# Altium PCB Length Bar Comparator.PcbDoc (part 1 of 6) (continued)
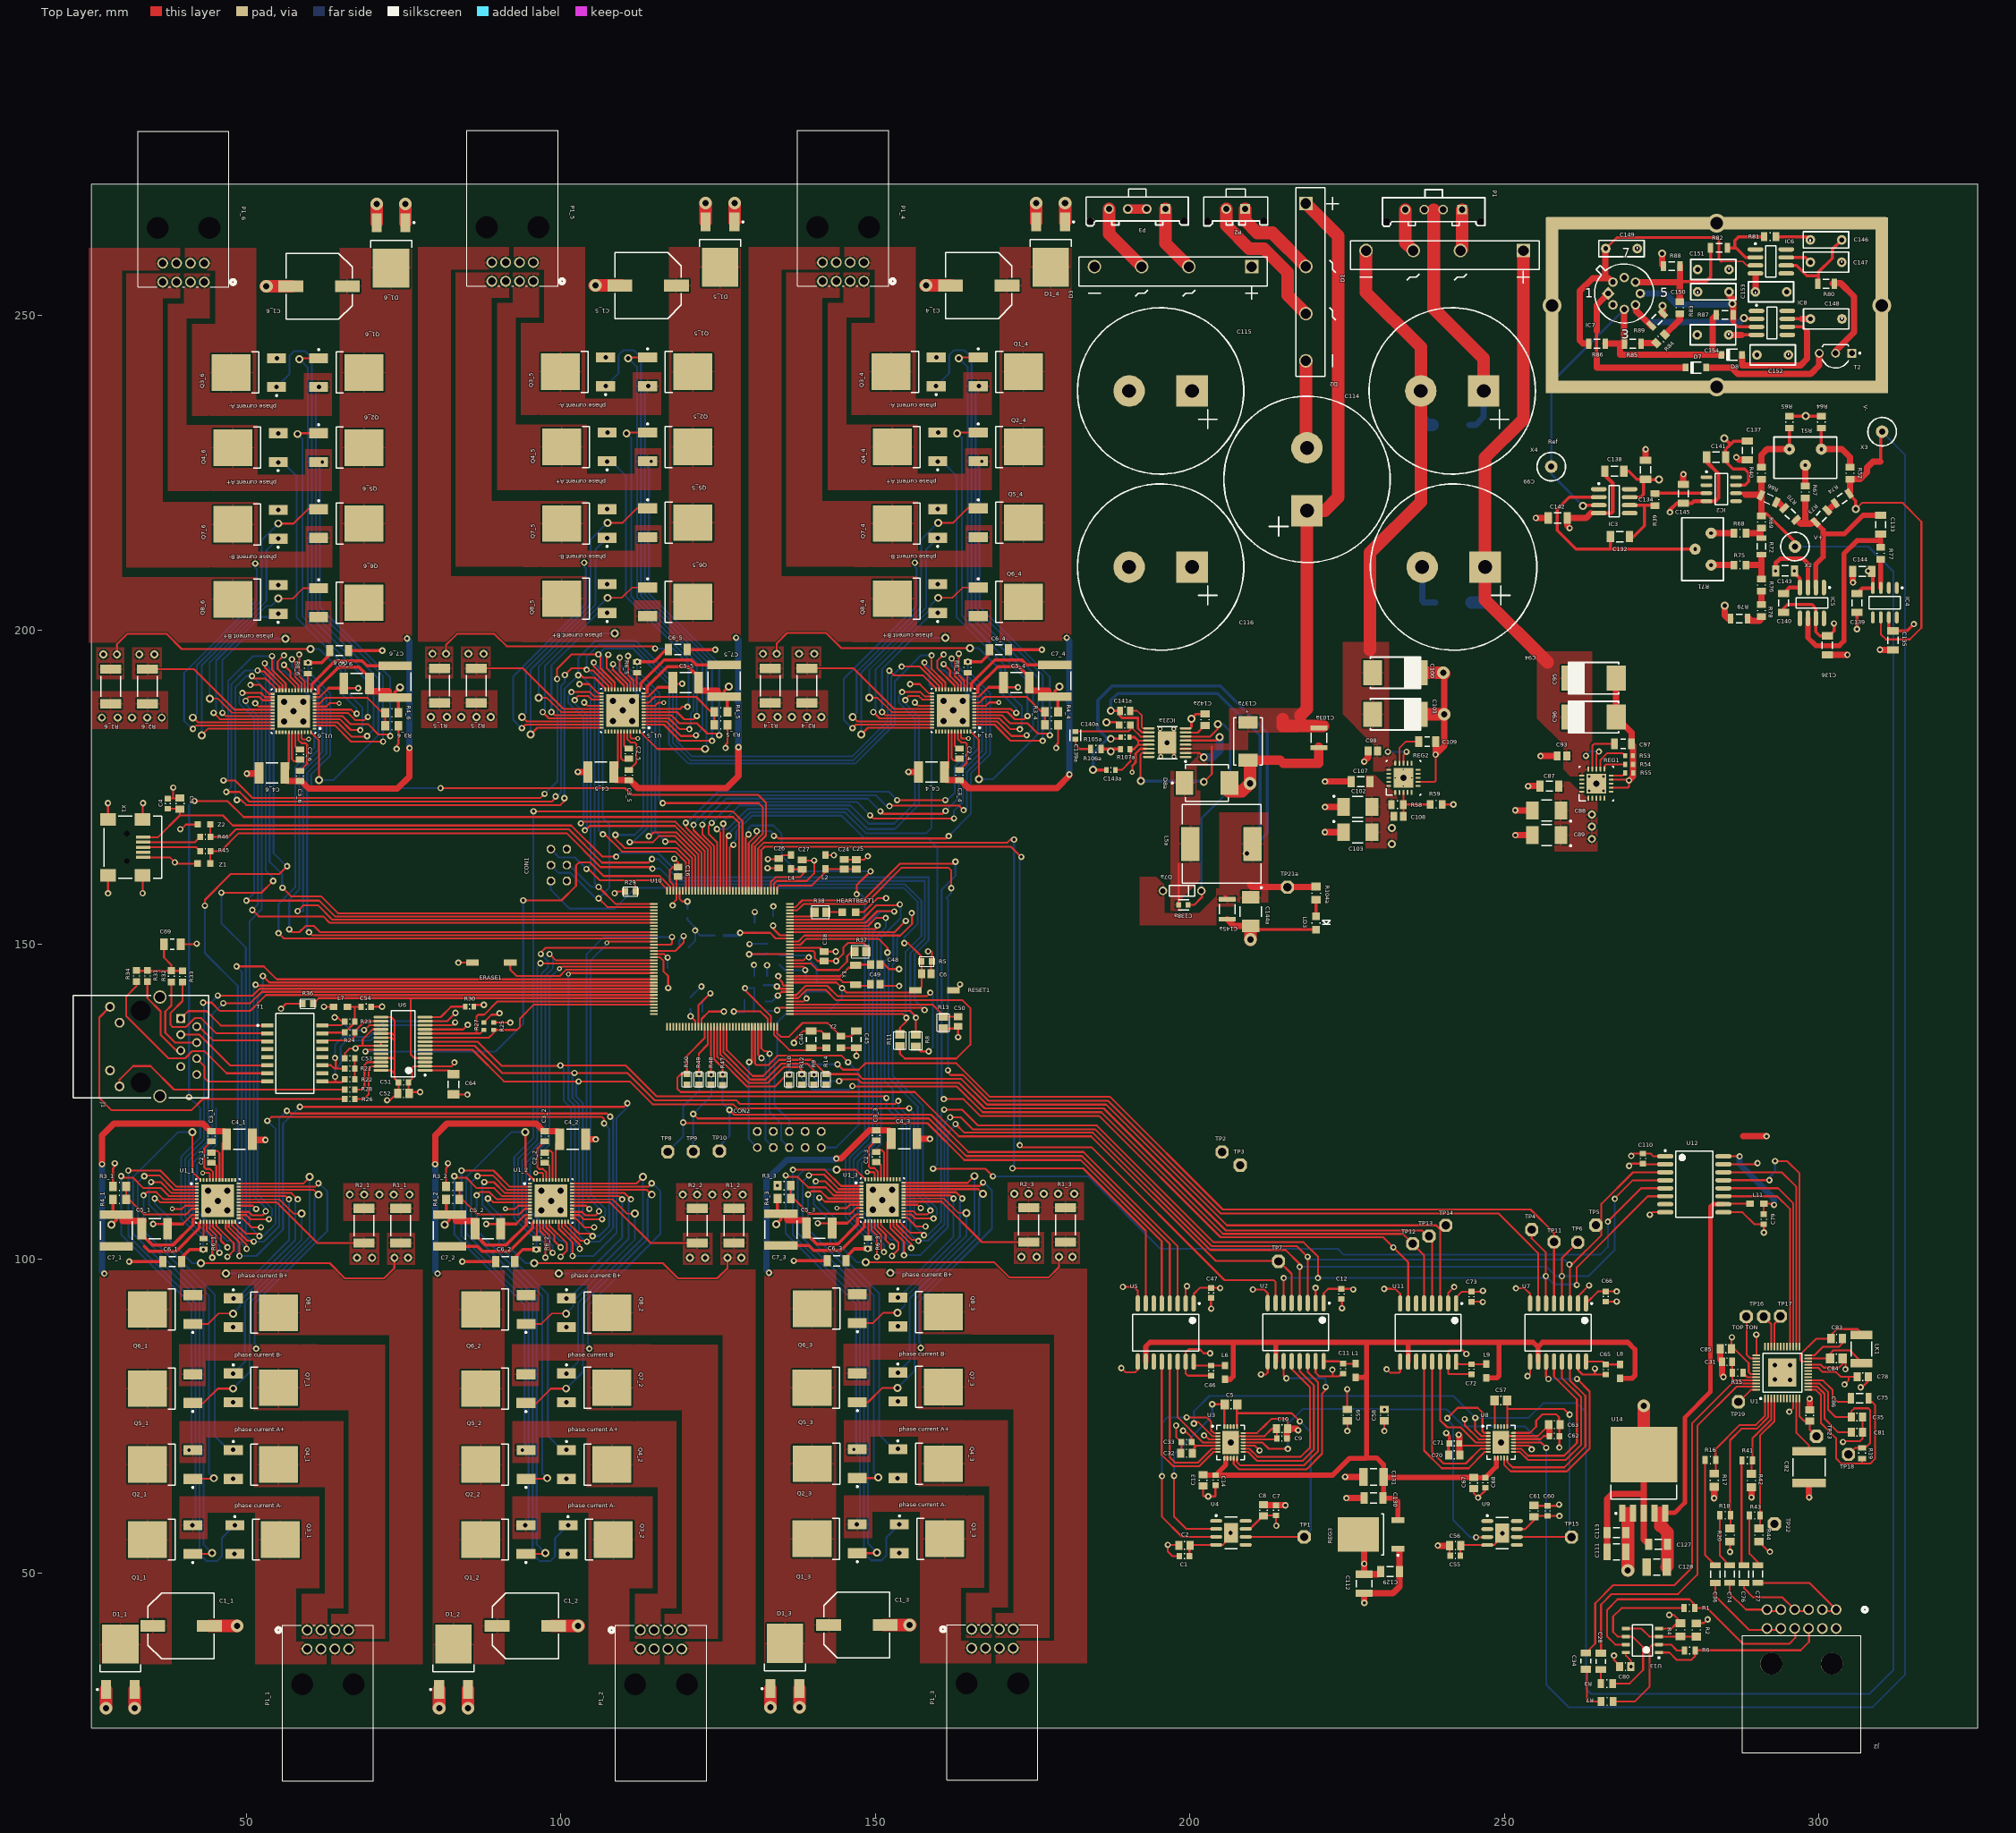
[diagram p0: Top Layer view]
## Components (designator, comment, footprint, x,y, rotation, side; value= is the part's Value field where it differs from the comment) (continued)
L11 "MH2029-300Y" 0805 290.093,108.763 r0 top
LD3 "SML-LXT0805GW-TR" LUMX-SML-LXT0805_V 220.04,153.416 r270 top
LK1 "Jumper 1812(4532)" RESC1812(4532)_M 306.718,85.662 r270 top value="0.00 Ohm"
P1 "Molex - Micro-Fit 3.0 Series connector,  3.00mm (0.118\") pitch header, 4 positions." 43650-0415 238.733,266.827 r0 top
P1_1 "Part Number: 1-1376350-9" conn8_1-1376350- 66.256,37.985 r180 top value=Value
P1_2 "Part Number: 1-1376350-9" conn8_1-1376350- 119.215,37.985 r180 top value=Value
P1_3 "Part Number: 1-1376350-9" conn8_1-1376350- 171.895,38.112 r180 top value=Value
P1_4 "Part Number: 1-1376350-9" conn8_1-1376350- 141.566,258.433 r0 top value=Value
P1_5 "Part Number: 1-1376350-9" conn8_1-1376350- 89.013,258.433 r0 top value=Value
P1_6 "Part Number: 1-1376350-9" conn8_1-1376350- 36.714,258.306 r0 top value=Value
P2 "Molex - Micro-Fit 3.0 Series connector,  3.00mm (0.118\") pitch header, 2 positions." 43650-0215 207.262,266.929 r0 top
P3 "Molex - Micro-Fit 3.0 Series connector,  3.00mm (0.118\") pitch header, 4 positions." 43650-0415 191.616,266.929 r0 top
Q1_1 "NTD4815NT4G" ONSC-DPAK-3-369AA-01_V 37.084,55.372 r180 top
Q1_2 "NTD4815NT4G" ONSC-DPAK-3-369AA-01_V 90.043,55.372 r180 top
Q1_3 "NTD4815NT4G" ONSC-DPAK-3-369AA-01_V 142.723,55.499 r180 top
Q1_4 "NTD4815NT4G" ONSC-DPAK-3-369AA-01_V 170.738,241.046 r0 top
Q1_5 "NTD4815NT4G" ONSC-DPAK-3-369AA-01_V 118.185,241.046 r0 top
Q1_6 "NTD4815NT4G" ONSC-DPAK-3-369AA-01_V 65.886,240.919 r0 top
Q2_1 "NTD4815NT4G" ONSC-DPAK-3-369AA-01_V 37.09,67.31 r180 top
Q2_2 "NTD4815NT4G" ONSC-DPAK-3-369AA-01_V 90.049,67.31 r180 top
Q2_3 "NTD4815NT4G" ONSC-DPAK-3-369AA-01_V 142.729,67.437 r180 top
Q2_4 "NTD4815NT4G" ONSC-DPAK-3-369AA-01_V 170.732,229.108 r0 top
Q2_5 "NTD4815NT4G" ONSC-DPAK-3-369AA-01_V 118.179,229.108 r0 top
Q2_6 "NTD4815NT4G" ONSC-DPAK-3-369AA-01_V 65.88,228.981 r0 top
Q3_1 "NTD4815NT4G" ONSC-DPAK-3-369AA-01_V 52.572,55.372 r0 top
Q3_2 "NTD4815NT4G" ONSC-DPAK-3-369AA-01_V 105.531,55.372 r0 top
Q3_3 "NTD4815NT4G" ONSC-DPAK-3-369AA-01_V 158.211,55.499 r0 top
Q3_4 "NTD4815NT4G" ONSC-DPAK-3-369AA-01_V 155.25,241.046 r180 top
Q3_5 "NTD4815NT4G" ONSC-DPAK-3-369AA-01_V 102.697,241.046 r180 top
Q3_6 "NTD4815NT4G" ONSC-DPAK-3-369AA-01_V 50.398,240.919 r180 top
Q4_1 "NTD4815NT4G" ONSC-DPAK-3-369AA-01_V 52.324,67.31 r0 top
Q4_2 "NTD4815NT4G" ONSC-DPAK-3-369AA-01_V 105.283,67.31 r0 top
Q4_3 "NTD4815NT4G" ONSC-DPAK-3-369AA-01_V 157.963,67.437 r0 top
Q4_4 "NTD4815NT4G" ONSC-DPAK-3-369AA-01_V 155.498,229.108 r180 top
Q4_5 "NTD4815NT4G" ONSC-DPAK-3-369AA-01_V 102.945,229.108 r180 top
Q4_6 "NTD4815NT4G" ONSC-DPAK-3-369AA-01_V 50.646,228.981 r180 top
Q5_1 "NTD4815NT4G" ONSC-DPAK-3-369AA-01_V 37.084,79.375 r180 top
Q5_2 "NTD4815NT4G" ONSC-DPAK-3-369AA-01_V 90.043,79.375 r180 top
Q5_3 "NTD4815NT4G" ONSC-DPAK-3-369AA-01_V 142.723,79.502 r180 top
Q5_4 "NTD4815NT4G" ONSC-DPAK-3-369AA-01_V 170.738,217.043 r0 top
Q5_5 "NTD4815NT4G" ONSC-DPAK-3-369AA-01_V 118.185,217.043 r0 top
Q5_6 "NTD4815NT4G" ONSC-DPAK-3-369AA-01_V 65.886,216.916 r0 top
Q6_1 "NTD4815NT4G" ONSC-DPAK-3-369AA-01_V 37.09,91.948 r180 top
Q6_2 "NTD4815NT4G" ONSC-DPAK-3-369AA-01_V 90.049,91.948 r180 top
Q6_3 "NTD4815NT4G" ONSC-DPAK-3-369AA-01_V 142.729,92.075 r180 top
Q6_4 "NTD4815NT4G" ONSC-DPAK-3-369AA-01_V 170.732,204.47 r0 top
Q6_5 "NTD4815NT4G" ONSC-DPAK-3-369AA-01_V 118.179,204.47 r0 top
Q6_6 "NTD4815NT4G" ONSC-DPAK-3-369AA-01_V 65.88,204.343 r0 top
Q7_1 "NTD4815NT4G" ONSC-DPAK-3-369AA-01_V 52.324,79.502 r0 top
Q7_2 "NTD4815NT4G" ONSC-DPAK-3-369AA-01_V 105.283,79.502 r0 top
Q7_3 "NTD4815NT4G" ONSC-DPAK-3-369AA-01_V 157.963,79.629 r0 top
Q7_4 "NTD4815NT4G" ONSC-DPAK-3-369AA-01_V 155.498,216.916 r180 top
Q7_5 "NTD4815NT4G" ONSC-DPAK-3-369AA-01_V 102.945,216.916 r180 top
Q7_6 "NTD4815NT4G" ONSC-DPAK-3-369AA-01_V 50.646,216.789 r180 top
Q8_1 "NTD4815NT4G" ONSC-DPAK-3-369AA-01_V 52.324,91.44 r0 top
Q8_2 "NTD4815NT4G" ONSC-DPAK-3-369AA-01_V 105.283,91.44 r0 top
Q8_3 "NTD4815NT4G" ONSC-DPAK-3-369AA-01_V 157.963,91.567 r0 top
Q8_4 "NTD4815NT4G" ONSC-DPAK-3-369AA-01_V 155.498,204.978 r180 top
Q8_5 "NTD4815NT4G" ONSC-DPAK-3-369AA-01_V 102.945,204.978 r180 top
Q8_6 "NTD4815NT4G" ONSC-DPAK-3-369AA-01_V 50.646,204.851 r180 top
R1 "510K 1% 0805(2012)" RESC0805(2012)_L 279.375,44.475 r180 top value="510000.00 Ohm"
R1_1 "WSL2512R0500FEA" RESC6432X89X76LL25T25 74.549,105.283 r270 top
R1_2 "WSL2512R0500FEA" RESC6432X89X76LL25T25 127.508,105.283 r270 top
R1_3 "WSL2512R0500FEA" RESC6432X89X76LL25T25 180.188,105.41 r270 top
R1_4 "WSL2512R0500FEA" RESC6432X89X76LL25T25 133.273,191.135 r90 top
R1_5 "WSL2512R0500FEA" RESC6432X89X76LL25T25 80.72,191.135 r90 top
R1_6 "WSL2512R0500FEA" RESC6432X89X76LL25T25 28.421,191.008 r90 top
R2 "10K 1% 0805(2012)" RESC0805(2012)_M 280.467,40.996 r90 top value="10000.00 Ohm"
R2_1 "WSL2512R0500FEA" RESC6432X89X76LL25T25 68.707,105.283 r270 top
R2_2 "WSL2512R0500FEA" RESC6432X89X76LL25T25 121.666,105.283 r270 top
R2_3 "WSL2512R0500FEA" RESC6432X89X76LL25T25 174.346,105.41 r270 top
R2_4 "WSL2512R0500FEA" RESC6432X89X76LL25T25 139.115,191.135 r90 top
R2_5 "WSL2512R0500FEA" RESC6432X89X76LL25T25 86.562,191.135 r90 top
R2_6 "WSL2512R0500FEA" RESC6432X89X76LL25T25 34.263,191.008 r90 top
R3 "31K6 1% 0805(2012)" RESC0805(2012)_N 266.243,32.487 r180 top value="31600.00 Ohm"
R3_1 "1K 1% 0805(2012)" RESC0805(2012)_M 29.845,111.506 r180 top value=1K0
R3_2 "1K 1% 0805(2012)" RESC0805(2012)_M 82.804,111.506 r180 top value=1K0
R3_3 "1K 1% 0805(2012)" RESC0805(2012)_M 135.484,111.633 r180 top value=1K0
R3_4 "1K 1% 0805(2012)" RESC0805(2012)_M 177.977,184.912 r0 top value=1K0
R3_5 "1K 1% 0805(2012)" RESC0805(2012)_M 125.424,184.912 r0 top value=1K0
R3_6 "1K 1% 0805(2012)" RESC0805(2012)_M 73.125,184.785 r0 top value=1K0
R4 "10K 1% 0805(2012)" RESC0805(2012)_M 277.952,41.021 r270 top value="10000.00 Ohm"
R4_1 "1K5 1% 0805(2012)" RESC0805(2012)_M 29.845,109.474 r0 top value=1K5
R4_2 "1K5 1% 0805(2012)" RESC0805(2012)_M 82.804,109.474 r0 top value=1K5
R4_3 "1K5 1% 0805(2012)" RESC0805(2012)_M 135.484,109.601 r0 top value=1K5
R4_4 "1K5 1% 0805(2012)" RESC0805(2012)_M 177.977,186.944 r180 top value=1K5
R4_5 "1K5 1% 0805(2012)" RESC0805(2012)_M 125.424,186.944 r180 top value=1K5
R4_6 "1K5 1% 0805(2012)" RESC0805(2012)_M 73.125,186.817 r180 top value=1K5
R5 "100k" R0603 158.14,147.295 r0 top
R6 "510K 1% 0805(2012)" RESC0805(2012)_L 279.425,37.744 r180 top value="510000.00 Ohm"
R6_1 "5K6 1% 0805(2012)" RESC0805(2012)_L 43.18,102.362 r90 top value=5k6
R6_2 "5K6 1% 0805(2012)" RESC0805(2012)_L 96.139,102.362 r90 top value=5k6
R6_3 "5K6 1% 0805(2012)" RESC0805(2012)_L 148.819,102.489 r90 top value=5k6
R6_4 "5K6 1% 0805(2012)" RESC0805(2012)_L 164.642,194.056 r270 top value=5k6
R6_5 "5K6 1% 0805(2012)" RESC0805(2012)_L 112.089,194.056 r270 top value=5k6
R6_6 "5K6 1% 0805(2012)" RESC0805(2012)_L 59.79,193.929 r270 top value=5k6
R7 "31K6 1% 0805(2012)" RESC0805(2012)_N 266.294,29.642 r180 top value="31600.00 Ohm"
R8 "39R 1%" R0805 156.413,134.696 r270 top
R9 "10k" R0603 140.208,128.524 r270 top
R10 "10k" R0603 136.271,128.499 r270 top
R11 "39R 1%" R0805 153.899,134.747 r270 top
R12 "10k" R0603 138.278,128.524 r270 top
R13 "6k8 1%" R0805 160.782,137.566 r90 top
R14 "10k" R0603 142.113,128.524 r270 top
R15 "5K6 1% 0805(2012)" RESC0805(2012)_L 287.045,81.89 r180 top value=5k6
R16 "43K2 1% 0805(2012)" RESC0805(2012)_L 282.715,68.009 r0 top value="43200.00 Ohm"
R17 "1K 1% 0805(2012)" RESC0805(2012)_M 283.325,64.809 r90 top value="1000.00 Ohm"
R18 "43K2 1% 0805(2012)" RESC0805(2012)_L 285.052,59.246 r0 top value="43200.00 Ohm"
R19 "110R 1% 0805(2012)" RESC0805(2012)_L 306.82,69.127 r90 top value="110.00 Ohm"
R20 "1K 1% 0805(2012)" RESC0805(2012)_M 285.84,56.097 r90 top value="1000.00 Ohm"
R21 "49R9 1% 0603(1608)" RESC0603(1608)_N 66.446,130.277 r180 top value="49.90 Ohm"
R22 "49R9 1% 0603(1608)" RESC0603(1608)_N 66.446,128.549 r180 top value="49.90 Ohm"
R23 "49R9 1% 0603(1608)" RESC0603(1608)_N 66.446,137.719 r180 top value="49.90 Ohm"
R24 "49R9 1% 0603(1608)" RESC0603(1608)_N 66.446,135.992 r0 top value="49.90 Ohm"
R25 "MCR03ERTF1002" RESC1608X55X30LL10T20_A 89.306,137.008 r270 top
R26 "680R 1% 0603(1608)" RESC0603(1608)_N 66.446,125.4 r0 top value="680.00 Ohm"
R27 "MCR03ERTF1002" RESC1608X55X30LL10T20_A 87.732,137.008 r90 top
R28 "680R 1% 0603(1608)" RESC0603(1608)_N 66.446,126.924 r0 top value="680.00 Ohm"
R29 "10k" R0603 111.063,158.42 r180 top
R30 "2K32 1% 0603(1608)" RESC0603(1608)_L 85.482,140.106 r180 top value="2320.00 Ohm"
R31 "75R 1% 0603(1608)" RESC0603(1608)_M 34.265,144.983 r90 top value="75.00 Ohm"
R32 "75R 1% 0603(1608)" RESC0603(1608)_M 38.075,144.932 r90 top value="75.00 Ohm"
R33 "75R 1% 0603(1608)" RESC0603(1608)_M 39.853,144.907 r90 top value="75.00 Ohm"
R34 "75R 1% 0603(1608)" RESC0603(1608)_M 32.537,144.983 r90 top value="75.00 Ohm"
R36 "10k" R0603 59.766,140.564 r180 top
R37 "100k" R0805 147.599,148.869 r0 top
R38 "402R" R0805 141.249,155.143 r180 top
R39 "100R" RESC0805(2012)_N 273.899,220.726 r90 top value="1000000.00 Ohm"
R40 "100K 0.05%" RESC0805(2012)_N 290.83,224.917 r90 top value="1000000.00 Ohm"
R41 "43K2 1% 0805(2012)" RESC0805(2012)_L 288.583,67.958 r0 top value="43200.00 Ohm"
R42 "1K 1% 0805(2012)" RESC0805(2012)_M 289.243,64.758 r90 top value="1000.00 Ohm"
R43 "43K2 1% 0805(2012)" RESC0805(2012)_L 289.777,59.195 r0 top value="43200.00 Ohm"
R44 "1K 1% 0805(2012)" RESC0805(2012)_M 290.412,56.097 r90 top value="1000.00 Ohm"
R45 "24R 5% 0603(1608)" RESC0603(1608)_N 43.485,164.821 r180 top value="24.00 Ohm"
R46 "24R 5% 0603(1608)" RESC0603(1608)_N 43.485,167.107 r180 top value="24.00 Ohm"
R47 "10k" R0603 125.705,128.51 r270 top
R48 "10k" R0603 123.85,128.524 r270 top
R49 "10k" R0603 121.92,128.524 r270 top
R50 "10k" R0603 120.04,128.524 r270 top
R51 "*" TrimPot 297.815,226.187 r0 top
R52 "100K 0.05%" RESC0805(2012)_N 304.927,224.917 r270 top value="1000000.00 Ohm"
R53 "RC1608J000CS" RESC1608X55X35LL10T10 269.773,179.984 r180 top
R54 "RC1608J000CS" RESC1608X55X35LL10T10 269.789,178.613 r180 top
R55 "RC1608J000CS" RESC1608X55X35LL10T10 269.799,177.267 r180 top
R56 "RC2512JK-070RL" RESC6431X65X50LL10T20 241.859,204.394 r0 bottom
R57 "RC2512JK-070RL" RESC6431X65X50LL10T20 241.478,232.613 r0 bottom
R58 "1M24" RESC0805(2012)_N 232.969,172.237 r180 top value="1000000.00 Ohm"
R59 "105K" RESC0805(2012)_N 239.116,172.263 r180 top value="1000000.00 Ohm"
R64 "100R 0.05%" RESC0805(2012)_N 300.355,233.045 r90 top value="1000000.00 Ohm"
R65 "100R 0.05%" RESC0805(2012)_N 295.275,233.045 r90 top value="1000000.00 Ohm"
R66 "10K 0.01%" RESC3116X65X40LL10T20 291.973,220.853 r155 top
R67 "100K 0.05%" RESC0805(2012)_N 297.815,221.93 r90 top value="1000000.00 Ohm"
R68 "22K 0.01%" RESC0805(2012)_N 287.401,215.392 r0 top value="1000000.00 Ohm"
R69 "5k0 0.01%" RESC0805(2012)_N 290.83,217.17 r90 top value="1000000.00 Ohm"
R70 "10K 0.01%" RESC3116X65X40LL10T20 295.402,218.44 r135 top
R71 "Trimmer" TrimPot 280.286,212.852 r270 top
R72 "1K 0.01" RESC3116X65X40LL10T20 290.83,213.288 r90 top
R73 "10K 0.01%" RESC3116X65X40LL10T20 300.355,218.059 r225 top
R74 "10k 0.01%" RESC3116X65X40LL10T20 303.663,220.914 r215 top
R75 "6K8 0.01%" RESC0805(2012)_N 287.401,210.312 r0 top value="1000000.00 Ohm"
R76 "2K0 0.01%" RESC0805(2012)_N 290.83,207.137 r90 top value="1000000.00 Ohm"
R77 "100R" RESC0805(2012)_N 309.778,212.192 r270 top value="1000000.00 Ohm"
R78 "2K0 0.01%" RESC0805(2012)_N 290.83,203.073 r90 top value="1000000.00 Ohm"
R79 "10K 0.01%" RESC3116X65X40LL10T20 287.274,201.803 r0 top
R80 "1K0" RESC3116X65X40LL10T20 301.092,255.041 r0 top
R81 "1M" RESC0805(2012)_N 292.202,262.534 r0 top value="1000000.00 Ohm"
R82 "10k" RESC3116X65X40LL10T20 284.074,260.756 r180 top
R83 "1k0" RESC0805(2012)_N 277.851,251.231 r270 top value="1000000.00 Ohm"
R84 "2k0" RESC0805(2012)_N 274.803,246.278 r225 top value="1000000.00 Ohm"
R85 "10k 0.01%" RESC3116X65X40LL10T20 270.398,245.516 r180 top
R86 "10k 0.01%" RESC3116X65X40LL10T20 264.698,245.516 r0 top
R87 "68K 0.01%" RESC3116X65X40LL10T20 285.003,250.088 r0 top
R88 "1K0 0.01%" RESC3116X65X40LL10T20 276.581,257.835 r0 top
R89 "120R 0.02%" RESC3116X65X40LL10T20 274.244,249.352 r225 top
R104a "1K 1% 0805(2012)" RESC0805(2012)_M 220.06,158.153 r90 top value=1K
R105a "196K 1% 0603(1608)" RESC0603(1608)_L 189.678,182.961 r0 top value="196000.00 Ohm"
R106a "10K 5% 0805(2012)" RESC0805(2012)_L 185.039,181.077 r180 top value=10K
R107a "RC0603FR-07100KL" RESC1608X55X25ML10T15 189.678,181.056 r0 top
REG1 "TPS7A4700" RGW0020A_V#1 264.592,175.565 r90 top
REG2 "TPS7A3301RGWR" RGW0020A_V#2 233.92,176.484 r90 top
REG3 "L7805CDT-TR" TO-252_N 228.803,56.185 r180 top
RESET1 "PUCHBUTTON" PUCHBUTTON 159.36,142.723 r0 top
T1 "B78476A8065A003" EPCS-B78476A8065A003-16 57.695,132.69 r0 top
T2 "BC337-40ZL1G" ONSC-TO-92-3-29-11_AM_BL 302.616,243.992 r180 top
"TOP TON" "PTR1PAD1-13" P1-13#1 288.417,90.83 r90 top
TP1 "PTR1PAD1-13" P1-13#1 218.135,55.804 r0 top
TP2 "PTR1PAD1-13" P1-13#1 205.08,116.992 r0 top
TP3 "PTR1PAD1-13" P1-13#1 207.975,114.91 r0 top
TP4 "PTR1PAD1-13" P1-13#1 254.305,104.648 r0 top
TP5 "PTR1PAD1-13" P1-13#1 264.516,105.359 r0 top
TP6 "PTR1PAD1-13" P1-13#1 261.62,102.641 r0 top
TP7 "PTR1PAD1-13" P1-13#1 214.071,99.619 r0 top
TP8 "PTR1PAD1-13" P1-13#1 116.992,117.043 r0 top
TP9 "PTR1PAD1-13" P1-13#1 121.031,117.069 r0 top
TP10 "PTR1PAD1-13" P1-13#1 125.197,117.119 r90 top
TP11 "PTR1PAD1-13" P1-13#1 257.861,102.692 r90 top
TP12 "PTR1PAD1-13" P1-13#2 235.382,102.108 r90 top
TP13 "PTR1PAD1-13" P1-13#3 237.998,103.657 r90 top
TP14 "PTR1PAD1-13" P1-13#4 240.64,105.156 r90 top
TP15 "PTR1PAD1-13" P1-13#1 260.629,55.778 r90 top
TP16 "PTR1PAD1-13" P1-13#1 291.174,90.844 r270 top
TP17 "PTR1PAD1-13" P1-13#1 293.853,90.881 r270 top
TP18 "PTR1PAD1-13" P1-13#1 304.673,68.936 r0 top
TP19 "PTR1PAD1-13" P1-13#1 287.147,77.267 r270 top
TP21a "PTR1PAD1-13" P1-13#1 215.488,159.103 r270 top
TP22 "PTR1PAD1-13" P1-13#1 292.888,57.861 r270 top
TP23 "PTR1PAD1-13" P1-13#1 299.581,71.794 r270 top
U1 "PGA970" PHP0048A_L 294.145,81.928 r90 top
U1_1 "AMIS30422C422MNTWG" ONSC-QFN-48-485AJ-01_V 45.466,109.22 r0 top
U1_2 "AMIS30422C422MNTWG" ONSC-QFN-48-485AJ-01_V 98.425,109.22 r0 top
U1_3 "AMIS30422C422MNTWG" ONSC-QFN-48-485AJ-01_V 151.105,109.347 r0 top
U1_4 "AMIS30422C422MNTWG" ONSC-QFN-48-485AJ-01_V 162.356,187.198 r180 top
U1_5 "AMIS30422C422MNTWG" ONSC-QFN-48-485AJ-01_V 109.803,187.198 r180 top
U1_6 "AMIS30422C422MNTWG" ONSC-QFN-48-485AJ-01_V 57.504,187.071 r180 top
U2 "ADUM1401BRWZ" ADI-RW-16_M 216.789,88.343 r270 top
U3 "AD5790BCPZ" CP-24-5_N 206.451,70.815 r0 top
U4 "ADA4898-1YRDZ-R7" ADI-RD-8-2_L 206.502,56.439 r0 top
U5 "ADUM1401BRWZ" ADI-RW-16_M 196.139,88.29 r270 top
U6 "ENC28J60/SS" SSOP-SS28_M 74.905,134.214 r180 top
U7 "ADUM1401BRWZ" ADI-RW-16_M 258.496,88.29 r270 top
U8 "AD5790BCPZ" CP-24-5_N 249.419,70.83 r0 top
U9 "ADA4898-1YRDZ-R7" ADI-RD-8-2_L 249.606,56.413 r0 top
U10 "ATSAM3X8EA-AU" LQFP144 125.603,147.701 r0 top
U11 "ADUM1401BRWZ" ADI-RW-16_M 237.846,88.29 r270 top
U12 "ADUM1401BRWZ" ADI-RW-16_M 280.162,111.862 r0 top
U13 "OPA1662AIDRQ1" D0008A_L 271.916,39.319 r180 top
U14 "LT1764AEQ-3.3#PBF" LT-Q-5_L 272.136,65.735 r90 top
X1 "1734035-2" TECO-1734035-2-5_V 33.613,165.446 r270 top
X2 "Test Point" "Test Point" 296.164,213.258 r90 top
X3 "Test Point" "Test Point" 310.007,231.521 r90 top
X4 "Test Point" "Test Point" 257.429,225.958 r180 top
Y1 "32.768Khz" ARDUINO_WIFI_SHIELD_V018_TG_RESONATOR_EPSON_FC_145 146.837,145.136 r270 top
Y2 "12MHz KX-7 20pF" CRYSTAL-3.2-2.5 143.358,134.468 r180 top
Z1 "CG0603MLC-05E" CT/CN0603 43.24,162.865 r180 top
Z2 "CG0603MLC-05E" CT/CN0603 43.282,169.062 r180 top

## Footprints (in the part's own frame and the unit in brackets; to place one, negate y for a bottom-side part, rotate by r counter-clockwise, add the part's x,y. Pads: shape width x height; smd on the part's side, far side on the other; paste and mask are expansions set on the pad)
0805 [mm] "0805"
  rect 1.2x1 smd: 1(-1.1,0) 2(1.1,0)
43650-0215 [mm]
  round 1.27 hole 1.27: 1(-4.5,-1.96) 1(4.5,-1.96)
  rect 1.53x1.53 hole 1.02: P$1(1.5,0)
  round 1.53 hole 1.02: P$2(-1.5,0)
  silkscreen extent -5.08,-2.67 5.08,3.17
43650-0415 [mm]
  round 1.27 hole 1.27: 1(-7.5,-1.96) 1(7.5,-1.96)
  rect 1.53x1.53 hole 1.02: P$1(4.5,0)
  round 1.53 hole 1.02: P$2(1.5,0) P$3(-1.5,0) P$4(-4.5,0)
  silkscreen extent -8.13,-2.67 8.13,3.17
ADI-RD-8-2_L [mm] "SOIC, 8-Leads, Body 4.9x3.9mm, Pitch 1.27mm, Thermal Pad 3.098x2.41mm, IPC High Density"
  oval 1.9x0.6 smd: 1(-2.35,1.905) 2(-2.35,0.635) 3(-2.35,-0.635) 4(-2.35,-1.905) 5(2.35,-1.905) 6(2.35,-0.635) 7(2.35,0.635) 8(2.35,1.905)
  rect 2.2x3.1 smd: 9(0,0)
  silkscreen extent -2.47,-2.5 1,2.88, body extent -2,-2.5 2,2.5, height 1.75
ADI-RW-16_M [mm] "SOIC, 16-Leads, Body 10.3x7.5mm, Pitch 1.27mm, IPC Low Density"
  oval 2.6x0.7 smd: 1(-4.625,4.445) 2(-4.625,3.175) 3(-4.625,1.905) 4(-4.625,0.635) 5(-4.625,-0.635) 6(-4.625,-1.905) 7(-4.625,-3.175) 8(-4.625,-4.445) 9(4.625,-4.445) 10(4.625,-3.175) 11(4.625,-1.905) 12(4.625,-0.635) 13(4.625,0.635) 14(4.625,1.905) 15(4.625,3.175) 16(4.625,4.445)
  silkscreen extent -4.75,-5.25 2.93,5.47, body extent -3.8,-5.25 3.8,5.25, height 2.65
ARDUINO_WIFI_SHIELD_V018_TG_RESONATOR_EPSON_FC_145 [mm] "ARDUINO_WIFI_SHIELD_V018_TG_RESONATOR_EPSON_FC_145"
  rect 1.1x1.8 smd: P$1(-1.55,0) P$2(1.55,0)
  Bottom Layer keep-out region: -1,-0.9 1,-0.9 1,0.9 -1,0.9
C0805 [mm] "Chip Capacitor, Body 2.0x1.3mm, IPC High Density"
  rect 1.1x1.4 smd: 1(-0.75,0) 2(0.75,0)
  body extent -1.1,-0.72 1.1,0.72, height 1.4
C1206 [mm] "Chip Capacitor, Body 3.2x1.6mm, IPC High Density"
  rect 1.1x1.7 smd: 1(-1.35,0) 2(1.35,0)
  silkscreen extent -0.4,-0.75 0.4,0.75, body extent -1.7,-0.9 1.7,0.9, height 1.3
"Cap 5mm polyester" [mil]
  round 60 hole 30: 1(-98.43,0) 2(98.43,0)
  silkscreen extent -142,-51 142,51
"Cap 15000uF" [mm] "381LX153M025"
  rect 5x5 hole 2.2: 1(-5,0)
  round 5 hole 2.2: 2(5,0)
  silkscreen extent -13.22,-13.22 13.21,13.22, body extent -13.22,-13.22 13.22,13.22, height 25
"Capacitor 7mmx3mm 5mm pitch" [mil]
  round 60 hole 30: 1(-98.43,0) 2(98.43,0)
  silkscreen extent -142,-63 142,63
CAPC0603(1608)100_L [mm] "Chip Capacitor, Body 1.6x0.8mm, Height 1.0mm, IPC High Density"
  rect 0.7x0.9 smd: 1(-0.7,0) 2(0.7,0)
  silkscreen extent -0.05,-0.35 0.05,0.35, body extent -0.87,-0.47 0.88,0.48, height 1
CAPC0603(1608)100_M [mm] "Chip Capacitor, Body 1.6x0.8mm, Height 1.0mm, IPC Low Density"
  rect 1.1x1.1 smd: 1(-0.9,0) 2(0.9,0)
  silkscreen extent -0.05,-0.45 0.05,0.45, body extent -0.87,-0.47 0.88,0.48, height 1
CAPC0603(1608)100_N [mm] "Chip Capacitor, Body 1.6x0.8mm, Height 1.0mm, IPC Medium Density"
  rect 0.9x1 smd: 1(-0.8,0) 2(0.8,0)
  silkscreen extent -0.05,-0.4 0.05,0.4, body extent -0.87,-0.48 0.88,0.47, height 1
CAPC0805(2012)75_L [mm] "Chip Capacitor, Body 2.0x1.2mm, Height 0.75mm, IPC High Density"
  rect 0.95x1.35 smd: 1(-0.8,0) 2(0.8,0)
  silkscreen extent -0.05,-0.58 0.05,0.58, body extent -1.1,-0.72 1.1,0.72, height 0.75
CAPC0805(2012)75_N [mm] "Chip Capacitor, Body 2.0x1.2mm, Height 0.75mm, IPC Medium Density"
  rect 1.15x1.45 smd: 1(-0.9,0) 2(0.9,0)
  silkscreen extent -0.05,-0.62 0.05,0.63, body extent -1.1,-0.72 1.1,0.73, height 0.75
CAPC0805(2012)100_L [mm] "Chip Capacitor, Body 2.0x1.2mm, Height 1.0mm, IPC High Density"
  rect 0.95x1.35 smd: 1(-0.8,0) 2(0.8,0)
  silkscreen extent -0.05,-0.58 0.05,0.58, body extent -1.1,-0.72 1.1,0.72, height 1
CAPC0805(2012)100_M [mm] "Chip Capacitor, Body 2.0x1.2mm, Height 1.0mm, IPC Low Density"
  rect 1.35x1.55 smd: 1(-1,0) 2(1,0)
  silkscreen extent -0.05,-0.67 0.05,0.67, body extent -1.1,-0.72 1.1,0.72, height 1
CAPC0805(2012)100_N [mm] "Chip Capacitor, Body 2.0x1.2mm, Height 1.0mm, IPC Medium Density"
  rect 1.15x1.45 smd: 1(-0.9,0) 2(0.9,0)
  silkscreen extent -0.05,-0.62 0.05,0.63, body extent -1.1,-0.72 1.1,0.73, height 1
CAPC0805(2012)145_M [mm] "Chip Capacitor, Body 2.0x1.2mm, Height 1.45mm, IPC Low Density"
  rect 1.35x1.55 smd: 1(-1,0) 2(1,0)
  silkscreen extent -0.05,-0.67 0.05,0.67, body extent -1.1,-0.72 1.1,0.72, height 1.45
CAPC0805(2012)145_N [mm] "Chip Capacitor, Body 2.0x1.2mm, Height 1.45mm, IPC Medium Density"
  rect 1.15x1.45 smd: 1(-0.9,0) 2(0.9,0)
  silkscreen extent -0.05,-0.62 0.05,0.63, body extent -1.1,-0.72 1.1,0.73, height 1.45
CAPC1206(3216)100_L [mm] "Chip Capacitor, Body 3.2x1.6mm, Height 1mm, IPC High Density"
  rect 0.95x1.7 smd: 1(-1.4,0) 2(1.4,0)
  silkscreen extent -0.55,-0.75 0.55,0.75, body extent -1.7,-0.9 1.7,0.9, height 1
CAPC1206(3216)100_N [mm] "Chip Capacitor, Body 3.2x1.6mm, Height 1mm, IPC Medium Density"
  rect 1.15x1.8 smd: 1(-1.5,0) 2(1.5,0)
  silkscreen extent -0.55,-0.8 0.55,0.8, body extent -1.7,-0.9 1.7,0.9, height 1
CAPC1206(3216)110_N [mm] "Chip Capacitor, Body 3.2x1.6mm, Height 1.1mm, IPC Medium Density"
  rect 1.15x1.8 smd: 1(-1.5,0) 2(1.5,0)
  silkscreen extent -0.55,-0.8 0.55,0.8, body extent -1.7,-0.9 1.7,0.9, height 1.1
CAPC1206(3216)170_L [mm] "Chip Capacitor, Body 3.2x1.6mm, Height 1.7mm, IPC High Density"
  rect 0.95x1.7 smd: 1(-1.4,0) 2(1.4,0)
  silkscreen extent -0.55,-0.75 0.55,0.75, body extent -1.7,-0.9 1.7,0.9, height 1.7
CAPC1206(3216)170_N [mm] "Chip Capacitor, Body 3.2x1.6mm, Height 1.7mm, IPC Medium Density"
  rect 1.15x1.8 smd: 1(-1.5,0) 2(1.5,0)
  silkscreen extent -0.55,-0.8 0.55,0.8, body extent -1.7,-0.9 1.7,0.9, height 1.7
CAPC1206(3216)190_M [mm] "Chip Capacitor, Body 3.2x1.6mm, Height 1.9mm, IPC Low Density"
  rect 1.35x1.9 smd: 1(-1.6,0) 2(1.6,0)
  silkscreen extent -0.55,-0.85 0.55,0.85, body extent -1.7,-0.9 1.7,0.9, height 1.9
CAPC1206(3216)190_N [mm] "Chip Capacitor, Body 3.2x1.6mm, Height 1.9mm, IPC Medium Density"
  rect 1.15x1.8 smd: 1(-1.5,0) 2(1.5,0)
  silkscreen extent -0.55,-0.8 0.55,0.8, body extent -1.7,-0.9 1.7,0.9, height 1.9
CAPC1210(3225)230_N [mm] "Chip Capacitor, Body 3.2x2.5mm, Height 2.3mm, IPC Medium Density"
  rect 1.15x2.7 smd: 1(-1.5,0) 2(1.5,0)
  silkscreen extent -0.55,-1.25 0.55,1.25, body extent -1.7,-1.35 1.7,1.35, height 2.3
CAPC1210(3225)280_M [mm] "Chip Capacitor, Body 3.2x2.5mm, Height 2.8mm, IPC Low Density"
  rect 1.35x2.8 smd: 1(-1.6,0) 2(1.6,0)
  silkscreen extent -0.55,-1.3 0.55,1.3, body extent -1.7,-1.4 1.7,1.4, height 2.8
CAPC1812(4532)110_N [mm] "Chip Capacitor, Body 4.5x3.2mm, Height 1.1mm, IPC Medium Density"
  rect 1.4x3.4 smd: 1(-2.05,0) 2(2.05,0)
  silkscreen extent -0.95,-1.6 0.95,1.6, body extent -2.4,-1.7 2.4,1.7, height 1.1
CAPC2220(5750)230_L [mm] "Chip Capacitor, Body 5.7x5.0mm, Height 2.3mm, IPC High Density"
  rect 1.35x5.3 smd: 1(-2.525,0) 2(2.525,0)
  silkscreen extent -1.45,-2.55 1.45,2.55, body extent -3.05,-2.7 3.05,2.7, height 2.3
CAPC3216X100X50LL20T25 [mm] "Chip Capacitor, 2-Leads, Body 3.40x1.80mm, IPC High Density"
  rect 1.1x1.7 smd: 1(-1.3,0) 2(1.3,0)
  silkscreen extent -0.35,-0.75 0.35,0.75, body extent -1.7,-0.9 1.7,0.9, height 1
CAPC3225X280X20LL40 [mm] "Chip Capacitor, 2-Leads, Body 3.60x2.80mm, IPC High Density"
  rect 0.75x2.7 smd: 1(-1.575,0) 2(1.575,0)
  silkscreen extent -0.8,-1.25 0.8,1.25, body extent -1.8,-1.4 1.8,1.4, height 2.8
CAPC3317X180X60LL30T20 [mm] "Chip Capacitor, 2-Leads, Body 3.6x1.9mm, IPC High Density"
  rect 1.25x1.8 smd: 1(-1.325,0) 2(1.325,0)
  silkscreen extent -0.3,-0.8 0.3,0.8, body extent -1.8,-0.95 1.8,0.95, height 1.8
CAPMP6032X28-T_V [mm] "Molded Capacitor, 2-Leads, Body 6.20x3.4mm"
  rect 2x2.8 smd: 1(-2.25,0) 2(2.25,0)
  silkscreen extent -3.93,-1.7 0.85,1.82, body extent -3.32,-1.7 3.32,1.7, height 2.8
"Case D" [mm]
  rect 3x4 smd: 1(4.2,0) 2(-3,0)
  silkscreen extent -3.4,-2.5 4.6,2.5
CHIPLED_0805 [mm] "CHIPLED_0805"
  rect 1.2x1.2 smd: A(0,-1.05) C(0,1.05)
CON06 [mil] "CON06"
  round 54 hole 36: 1(-100,-50)
  oct 52.29x52.29 hole 36: 2(-100,50) 3(0,-50) 4(0,50) 5(100,-50) 6(100,50)
CON10 [mil] "CON10"
  round 54 hole 36: 1(-200,-50)
  oct 52.29x52.29 hole 36: 2(-200,50) 3(-100,-50) 4(-100,50) 5(0,-50) 6(0,50) 7(100,-50) 8(100,50) 9(200,-50) 10(200,50)
conn8_1-1376350- [mil]
  round 67.5 hole 48 mask+0: 1(259.84,-118.11) 2(173.23,-118.11) 3(86.61,-118.11) 4(0,-118.11) 5(259.84,0) 6(173.23,0) 7(86.61,0) 8(0,0)
  rect 0x0 / inner round 60 / far side rect 0x0 hole 138: 9(291.34,220.47) 10(-31.5,220.47)
  silkscreen extent -155,-147 454,826, body extent 0,0 10,10, height 10
CONN12_1318772 [mil]
  round 67 hole 47 mask+0: 1(0,0) 2(86.61,0) 3(173.23,0) 4(259.84,0) 5(346.46,0) 6(433.07,0) 7(0,118.11) 8(86.61,118.11) 9(173.23,118.11) 10(259.84,118.11) 11(346.46,118.11) 12(433.07,118.11)
  round 138 hole 138: 13(27.56,338.58) 14(405.51,338.58)
  silkscreen extent -194,-15 588,895, body extent 0,0 10,10, height 10
CP-24-5_N [mm] "QFN, 24-Leads, Body 4x5mm, Pitch 0.5mm, Thermal Pad 2.65x3.65mm, IPC Medium Density"
  oval 0.8x0.3 smd: 1(-2,1.5) 2(-2,1) 3(-2,0.5) 4(-2,0) 5(-2,-0.5) 6(-2,-1) 7(-2,-1.5) 13(2,-1.5) 14(2,-1) 15(2,-0.5) 16(2,0) 17(2,0.5) 18(2,1) 19(2,1.5)
  oval 0.3x0.8 smd: 8(-1,-2.5) 9(-0.5,-2.5) 10(0,-2.5) 11(0.5,-2.5) 12(1,-2.5) 20(1,2.5) 21(0.5,2.5) 22(0,2.5) 23(-0.5,2.5) 24(-1,2.5)
  rect 2.65x3.65 smd paste-1.325: 25(0,0)
  silkscreen extent -3,-2.73 2.23,2.73, body extent -2.07,-2.57 2.08,2.58, height 1
CRYSTAL-3.2-2.5 [mm] "CRYSTAL-3.2-2.5"
  rect 1.3x1.05 smd: 1(-1.15,-0.925) 2(1.15,-0.925) 3(1.15,0.925) 4(-1.15,0.925)
CT/CN0603 [mm] "CT/CN0603"
  rect 1x1 smd: 1(-1,0) 2(1,0)
D0008A_L [mm] "SOIC, 8-Leads, Body 5x4mm, Pitch 1.27mm, IPC High Density"
  rrect18% 1.25x0.55 smd: 1(-2.625,1.905) 2(-2.625,0.635) 3(-2.625,-0.635) 4(-2.625,-1.905) 5(2.625,-1.905) 6(2.625,-0.635) 7(2.625,0.635) 8(2.625,1.905)
  silkscreen extent -2.75,-2.5 1.6,2.85, body extent -3,-2.45 3,2.45, height 1.63
DIOD-GBJ-4_V [mm] "Through Hole, 4-Leads, Body 30x4.6mm, Height 24mm"
  rect 2.15x2.15 hole 1.65: 1(-12.5,0)
  round 2.15 hole 1.65: 2(-2.5,0) 3(5,0) 4(12.5,0)
  silkscreen extent -15,-1.55 15,5.25, body extent -15,-1.55 15,3.05, height 24.51
EPCS-B78476A8065A003-16 [mm] "SMD, 16-Leads, Body 12.7x7.11mm, Pitch 1.27mm"
  rect 1.905x0.64 smd: 1(-4.383,4.445) 2(-4.383,3.175) 3(-4.383,1.905) 4(-4.383,0.635) 5(-4.383,-0.635) 6(-4.383,-1.905) 7(-4.383,-3.175) 8(-4.383,-4.445) 9(4.383,-4.445) 10(4.383,-3.175) 11(4.383,-1.905) 12(4.383,-0.635) 13(4.383,0.635) 14(4.383,1.905) 15(4.383,3.175) 16(4.383,4.445)
  silkscreen extent -6.01,-6.35 3.03,6.35, body extent -3.55,-6.35 3.55,6.35, height 5.85
FP-C0603C-CF-MFG [mm]
  rect 0.75x0.9 smd paste+0 mask+0: 1(-0.6,0) 2(0.6,0)
  silkscreen extent -0.87,-0.85 0.88,0.85, body extent -1.2,-0.6 1.2,0.6, height 0.25
FP-CC0603-DA-MFG [mm]
  rect 0.8x0.9 smd paste+0 mask+0: 1(-0.75,0) 2(0.75,0)
  silkscreen extent -0.85,-0.85 0.85,0.85, body extent -1.35,-0.75 1.35,0.75, height 0.25
FP-TAJD-MFG [mm]
  rect 2x3 smd paste+0 mask+0: 1(-3,0) 2(3,0)
  silkscreen extent -3.75,-2.25 3.75,2.25, body extent -4.1,-2.35 4.1,2.35, height 0.25
H-08A [mm] "Can; 8 Leads; Pin Circle Dia. 5.08 mm; Lead Dia. 0.53 mm (max)"
  rect 1.5x1.5 hole 0.9 rot 45: 1(-2.54,0)
  round 1.5 hole 0.9: 2(-1.796,-1.796) 3(0,-2.54) 4(1.796,-1.796) 5(2.54,0) 6(1.796,1.796) 7(0,2.54) 8(-1.796,1.796)
  silkscreen extent -4.7,-4.7 4.7,4.7